# KiCad board [DFR1142]Lite Carrier for LattePanda Mu.kicad_pcb (continued)
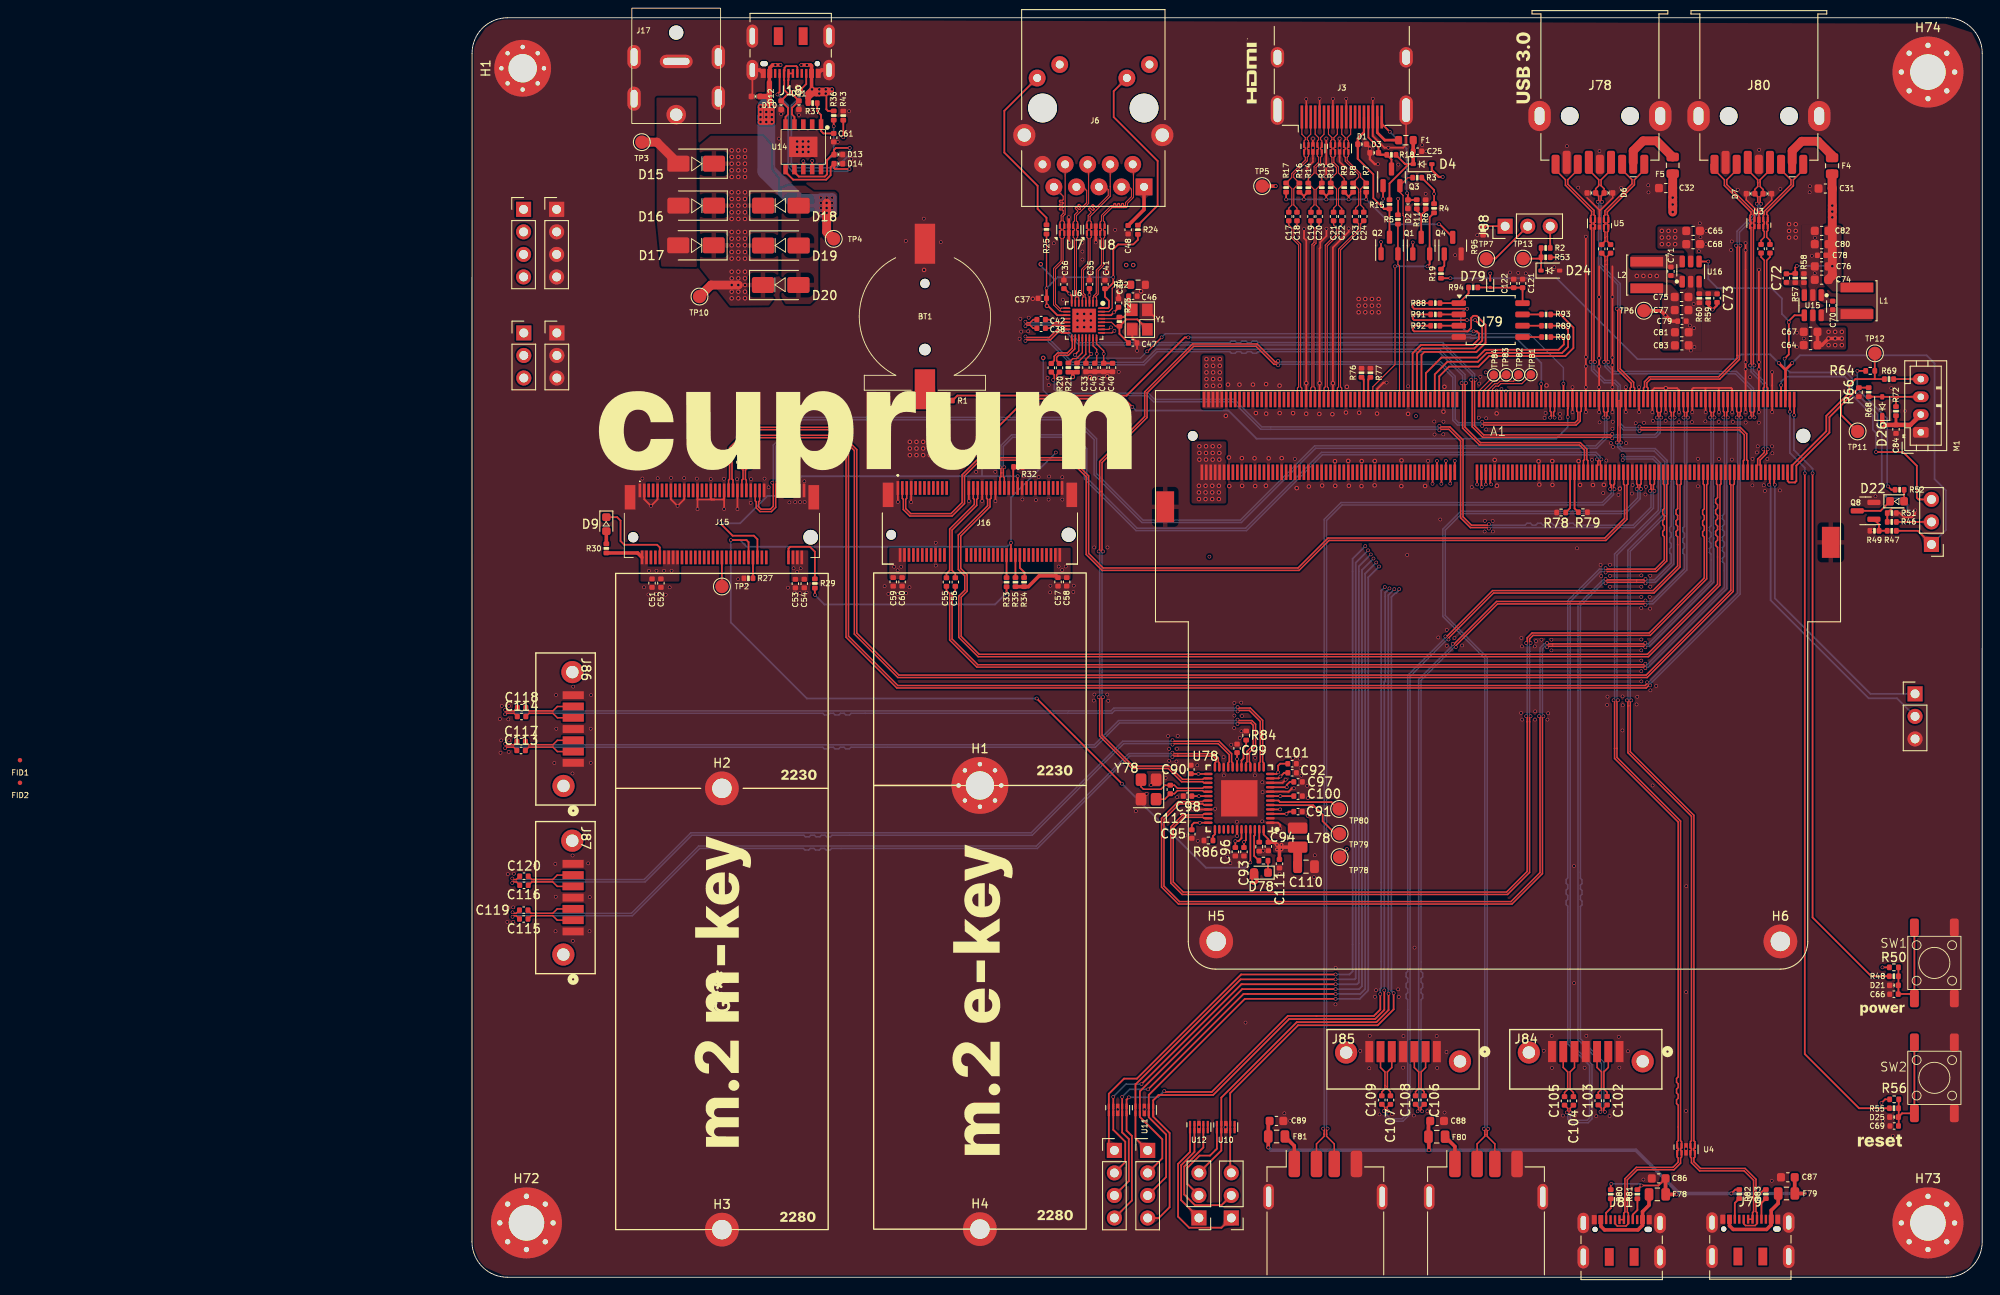
[diagram p0: board, top side]
## Nets (continued)
Net-(J15-SUSCLK): J15.68 R29.1
Net-(J16-SUSCLK): J16.50 R33.1
Net-(J16-~{W_DISABLE1}): J16.56 R34.1
Net-(J16-~{W_DISABLE2}): J16.54 R35.2
Net-(J78-VBUS): F5.2 J78.1
Net-(J79-CC1): J79.A5 R82.2
Net-(J79-CC2): J79.B5 R83.2
Net-(J80-VBUS): F4.2 J80.1
Net-(J81-CC1): J81.A5 R80.2
Net-(J81-CC2): J81.B5 R81.2
Net-(J82-VBUS): F80.2 J82.1
Net-(J83-VBUS): F81.2 J83.1
Net-(J88-Pin_1): J88.1 R95.2
Net-(J88-Pin_3): J88.3 R2.1
Net-(JP1-C): JP1.2 R46.1
Net-(M1-PWM): M1.4 R69.2
Net-(Q1-D): Q1.3 R6.1 R11.1
Net-(Q4-D): Q4.3 R7.2 R8.2 R9.2 R10.2 R13.2 R14.2 R16.2 R17.2
Net-(Q4-G): Q4.1 R19.2
Net-(Q8-G): Q8.1 R47.2 R49.2
Net-(U6-CKXTAL1): C47.2 R23.2 U6.28 Y1.1
Net-(U6-CKXTAL2): C46.2 R23.1 U6.29 Y1.3
Net-(U6-ISOLATEB): R20.2 U6.20
Net-(U6-LANWAKEB): R21.2 U6.21
Net-(U6-RSET): R22.2 U6.31
Net-(U10-NC-Pad6): U10.5 U10.6
Net-(U12-NC-Pad6): U12.5 U12.6
Net-(U14-CFG1): R43.1 U14.9
Net-(U14-VBUS): R36.2 U14.8
Net-(U14-VDD): C61.1 R37.2 U14.1
Net-(U15-BOOST): C70.2 U15.1
Net-(U15-FB): C72.2 R57.1 R58.2 U15.3
Net-(U15-SW): C70.1 L1.1 U15.6
Net-(U16-BOOST): C71.2 U16.1
Net-(U16-FB): C73.2 R59.1 R60.2 U16.3
Net-(U16-SW): C71.1 L2.1 U16.6
Net-(U78-GPIO0): TP78.1 U78.4
Net-(U78-GPIO1): TP79.1 U78.5
Net-(U78-GPIO2): TP80.1 U78.6
Net-(U78-PREXT): R86.2 U78.37
Net-(U78-SREXT): R84.1 U78.18
Net-(U78-TESTMODE): R85.2 U78.47
Net-(U79-CLK): R89.1 U79.6
Net-(U79-DI/IO_{0}): R90.2 U79.5
Net-(U79-DO/IO_{1}): R91.2 U79.2
Net-(U79-~{CS}): R88.2 R94.2 U79.1
Net-(U79-~{HOLD}/~{RESET}/IO_{3}): R93.2 U79.7
Net-(U79-~{WP}/IO_{2}): R92.2 U79.3

Pads without a net: A1 6 8 9 91 93 104 106 108 112 114 117 118 119 120 121 122 123 124 125 126 127 128 129 130 132 134 145 147 149 157 160 162 164 166 168 172 173 174 175 176 177 178 179 180 184 186 190 191 192 193 196 198 202 204 208 210 214 216 220 221 222 223 226 227 228 229 232 233 234 235 238 239 240 241 244 245 246 247; J3 13 14; J15 5 6 7 8 11 13 17 19 20 22 23 24 25 26 28 29 30 31 32 34 35 36 37 40 42 44 46 48 56 58 67; J16 6 8 9 10 11 12 13 14 15 16 17 19 20 21 22 23 32 34 36 38 40 42 44 46 48 58 59 60 61 62 64 65 66 67 68 70 71 73; J18 A8 B8; J79 A8 B8; J81 A8 B8; U6 12; U14 2 3 10; U78 38 39 40 41

## Via types
v1: diameter 0.4, hole 0.3, Top to Bottom, 798 vias
v2: diameter 0.5, hole 0.3, Top to Bottom, 233 vias
v3: diameter 0.46, hole 0.2, Top to Bottom, 4 vias

## Routing (per net, layer and track width the routed paths; a pad name or vN(x,y) marks a point on that pad's centre or on a via; arc(x,y) is an arc through that point)
5V_HDMI_VCC: length 10.6
  Top w0.2: 105.04,125.58 105.14,125.48 ; 105.04,125.58 R18.1 ; 105.04,125.58 105.16,125.45 D4.1 105.57,125.45 103.39,123.27 R15.1
  Top w0.4: D4.1 C25.1 F1.1
+1V0: length 26.3
  Top w0.15: 69.57,105.89 69.57,104.28 v1(69.79,104.06) 69.43,103.7 ; 69.43,103.7 69.18,103.45 C33.2 ; 71.18,103.03 v1(71.18,104.08) 71.18,104.4 70.38,105.2 70.38,105.88 70.37,105.89
  Top w0.2: C44.2 C40.2 ; U6.30 72.02,108.43 v1(72.34,108.75) 72.86,109.26 C34.2 ; C35.2 v1(69.58,110.7) U6.3 ; U6.8 67.58,110.6 v1(67.32,110.86) 66.76,111.43
  In1.GND w0.3: v1(71.18,104.08) 70.61,104.64 70.61,105.22 ; 70.61,105.22 69.79,104.39 v1(69.79,104.06) ; 70.61,105.22 70.61,109.67 v1(69.58,110.7) 69.42,110.86 v1(67.32,110.86)
  In1.GND w0.4: 70.61,108.77 70.63,108.75 v1(72.34,108.75)
+1V2: length 35.4
  Top w0.2: C101.1 91.06,57.88 90.84,57.65 v1(90.84,56.9) 90.66,56.72 U78.12 ; U78.48 89.21,49.9 89.74,49.38 C94.1 ; U78.43 86.71,49.48 86.38,49.15 v1(86.02,49.15) C96.1 ; U78.30 v1(81.91,54.22) C98.1 ; C100.1 v1(91.09,54.22) U78.7 ; C92.1 91.51,56.85 v1(91.1,56.44) 90.89,56.22 U78.11 ; U78.25 v1(81.86,56.72) 81.02,56.72 81.01,56.72
  Top w0.4: 90.99,48.47 90.43,49.03 C94.1 ; 90.99,48.47 L78.2 ; 90.99,48.47 C111.1
  Top w1: C110.1 L78.2
  In2.PWR w0.2: v1(86.02,49.15) 86.38,49.15 86.78,49.55 89.89,49.55 v3(90.71,48.72)
  In2.PWR w0.4: v1(86.02,49.15) 85.11,49.15 81.91,52.35 v1(81.91,54.22)
  vias: v3(90.71,48.22) v3(91.21,48.72) v3(91.21,48.22)
+3V3: length 686.7
  Top w0.15: 64.74,117.48 64.64,117.58 ; 70.4,103.2 v1(70.4,104.08) 70.4,104.57 69.98,104.98 69.98,105.88 69.97,105.89 ; 64.83,110.24 C37.2 64.74,117.58 R25.2
  Top w0.2: U6.32 71.66,109.23 71.78,109.35 71.78,110.05 71.33,110.5 C41.2 71.61,111.42 72.26,112.07 v1(72.26,112.7) 72.26,115.85 72.81,116.4 74.46,116.4 ; U78.44 87.21,49.28 v1(86.99,49.05) C93.1 ; R64.1 v1(156.11,102.15) ; C95.1 81.11,50.97 81.36,51.22 v1(82.01,51.22) U78.36 ; 106.01,116.68 v1(106.01,116.62) Q1.1 ; U78.19 v1(86.21,58.4) C99.1 ; R4.1 v1(108.41,122.1) 108.41,122.54 R3.1 ; U6.11 65.96,108.43 64.74,109.65 v1(64.74,111.46) C37.2 ; D79.2 v1(114.74,113.12) ; R56.2 159.24,20.05 v1(158.83,19.64) ; R50.2 v1(158.94,34.93) ; v1(159.56,89.12) 159.94,88.75 R52.2 ; v1(102.66,121.55) Q3.1 ; U78.9 v1(91.81,55.22) 91.81,55.49 92.15,55.83 C97.1 ; C91.1 92.04,52.47 v1(91.79,52.22) U78.3 ; R24.2 75.04,116.93 74.51,116.4 ; R5.1 104.36,119.75 v1(104.36,121.55) ; Q2.1 v1(102.44,116.68)
  Top w0.25: C73.1 140.3,109.55 v1(139.8,109.05) 139.3,109.55 139.3,109.83
  Top w0.4: J15.2 18.66,81.63 15.14,81.63 ; R21.1 67.61,102.02 ; 67.61,102.02 67.7,101.93 v2(67.7,101.47) ; 67.61,102.02 R20.1 ; 61.24,77.83 62.69,77.83 63.91,79.05 65.84,79.05 C57.2 ; L2.2 133.03,111.45 ; C79.1 135.15,107.75 v1(134.49,108.41) 133.98,108.93 TP6.1
  Top w1: v1(88.13,44.74) D78.2
  In1.GND w0.4: v1(70.4,104.08) 70.4,103.81 69.83,103.25 ; 69.83,103.25 69.75,103.25 69.11,103.88 69.11,105.61 68.31,106.41 67.98,106.41 67.58,106.81 67.58,107.86 65.96,109.48 v2(64.79,109.48) ; 69.83,103.25 69.23,102.65 68.12,102.65 67.7,102.23 v2(67.7,101.47)
  In2.PWR w0.2: v1(102.44,116.68) 101.74,117.38 101.74,120.62 v1(102.66,121.55) v1(104.36,121.55) 107.86,121.55 v1(108.41,122.1) ; v1(64.74,111.46) 64.79,111.41 v2(64.79,109.48) ; v1(106.01,116.62) 105.96,116.68
  In2.PWR w0.4: 139.79,109.04 v1(139.8,109.05) ; 89.89,47.95 88.11,46.18 88.11,44.75 v1(88.13,44.74) ; 89.89,47.95 89.89,48.35 89.19,49.05 v1(86.99,49.05) 86.99,48.88 86.64,48.53 83.94,48.53 82.01,50.45 v1(82.01,51.22) ; 89.89,47.95 90.25,47.59 91.56,47.59 91.84,47.88 91.84,52.17 v1(91.79,52.22) ; v1(158.94,34.93) 158.91,34.9 158.91,34.65 ; v1(106.01,116.62) 109.39,116.62 109.74,116.28 112.41,116.28 114.74,113.95 v1(114.74,113.12) ; 156.13,83.41 156.11,83.4 ; v1(158.83,19.64) 158.91,19.72 ; 5.81,101.37 J14.3 ; 61.35,116.91 v2(64.09,114.17)
  In2.PWR w0.75: 30.99,137.9 54.96,137.9
  In2.PWR w1: 30.99,137.9 28.41,135.32 10.79,135.32 ; 54.96,137.9 58.54,134.32 ; 58.54,134.32 58.54,119.73 61.35,116.91 ; 58.54,134.32 64.26,140.05 76.89,140.05 83.14,133.8 83.14,125.05 91.51,116.68 v1(102.44,116.68) 105.96,116.68
  In2.PWR w1.5: v1(139.8,109.05) 153.64,109.05 156.11,106.58 v1(156.11,102.15) 156.11,83.4 ; 156.13,83.41 158.91,80.62 158.91,19.72 ; J14.3 5.84,85.93 12.14,79.62 v1(19.94,79.62) v1(22.49,79.62) ; v1(66.51,79.7) 66.51,50.38 72.16,44.72 ; 139.79,109.04 139.79,108.41 v1(134.49,108.41) ; 36.76,79.83 36.96,79.83 38.04,80.9 46.74,80.9 47.69,79.95 47.96,79.95 ; 72.16,44.72 62.86,35.43 62.86,10.45 70.99,2.33 90.54,2.33 100.41,12.2 151.39,12.2 v1(158.83,19.64) ; 72.16,44.72 v1(87.69,44.72) 88.11,44.72 v1(88.13,44.74) ; 5.81,101.37 J13.1 5.81,130.35 10.79,135.32
  Bottom w0.2: v2(64.09,114.17) 64.09,114.02 65.7,112.41 ; 65.7,112.41 65.99,112.7 v1(72.26,112.7) ; 65.7,112.41 v1(64.74,111.46) ; v1(156.11,102.15) 156.11,100.12 159.46,96.78 159.46,89.23 v1(159.56,89.12)
  vias: v1(20.79,79.62) v1(21.64,79.62) v1(36.24,79.9) v1(36.64,79.5) v1(37.04,79.9) v1(47.56,80.08) v1(47.96,79.68) v1(48.36,80.08) v1(66.11,80.1) v1(66.91,80.1)
+5V: length 317.2
  Top w0.2: v1(141.91,9.44) 142.36,9.89 R82.1 ; v1(145.18,9.44) 145.62,9.89 R83.1 ; v1(149.29,113.98) 149.11,113.8 R57.2 149.08,113.09 C72.1 ; R81.1 v1(131.79,10.34) 133.7,10.34 C86.2 ; R80.1 128.32,10.46 v1(128.39,10.53)
  Top w0.25: v1(109.39,124) 108.94,124 108.16,124.78 D4.2
  Top w0.3: R72.1 C84.1
  Top w0.4: 89.73,17.47 F81.1 89.73,14.64 v1(89.74,14.62) ; C86.2 134.5,9.35 F78.1 v1(135.73,9.34) ; v1(150.18,9.44) F79.1 149.05,9.45 C87.2 ; v1(107.83,14.31) 107.83,15.79 F80.1 107.78,17.41 ; v1(90.56,122.98) TP5.1
  Top w0.5: D26.1 v1(158.91,96.12) 158.91,96.05 158.92,96.06 162.1,96.06 M1.2
  Top w1: F5.1 C32.2 135.3,120.68 ; F4.1 153.26,122.73 C31.2 v1(153.29,120.78) v1(153.29,120.1) v1(153.29,119.45) v1(153.29,113.95) 153.29,112.9 152.86,112.48 C74.2 ; v1(135.3,120.9) v1(135.3,120.05)
  In2.PWR w1: v1(135.3,121.68) 135.28,121.68 ; v1(135.3,121.68) 135.3,121.7 v1(135.3,120.9) ; v1(135.3,121.68) v1(135.3,120.05) 136.08,120.83 136.08,120.9 ; v1(135.3,121.68) 136.08,120.9 ; 153.29,119.38 153.31,119.4 153.31,120.85 152.55,120.08 153.16,120.08 153.26,119.98 ; 153.29,119.38 152.58,120.08 ; 153.29,119.38 153.29,112.23 158.91,106.6 v1(158.91,96.12) 158.91,93.65 158.88,93.61 160.86,91.63 160.86,82.58 164.59,78.85 164.59,21.8 152.23,9.44 v1(150.18,9.44) ; 136.8,120.9 136.08,120.9 ; 136.8,120.9 138.08,120.9 140.18,118.8 146.76,118.8 148.06,120.1 v1(153.29,120.1) 153.27,120.08 ; 136.8,120.9 v1(135.3,120.9) ; v1(135.3,120.9) 135.3,120.68 ; 135.18,120.8 135.1,120.88 132.98,120.88 131.43,119.33 124.99,119.33 123.59,120.73 112.66,120.73 v1(109.39,124) 108.89,124.5 101.04,124.5 99.51,122.98 v1(90.56,122.98)
  Bottom w0.2: v1(153.29,113.95) 153.26,113.98 v1(149.29,113.98) ; v1(128.39,10.53) 131.61,10.53 v1(131.79,10.34)
  Bottom w0.4: 136.03,9.44 v1(141.91,9.44) v1(150.18,9.44) ; 136.03,9.44 135.83,9.44 v1(135.73,9.34) ; 136.03,9.44 131.15,14.31 v1(107.83,14.31) 90.05,14.31 v1(89.74,14.62)
+12V: length 5.1
  Top w1: TP3.1 20.84,127.93 D15.2
+15V: length 55.9
  Top w0.2: 33.51,135 33.51,135.68 ; R36.1 40.13,131.43 39.94,131.62 39.94,133.32 v1(39.86,133.4)
  Top w0.4: v1(34.76,136.62) v1(34.19,136.62) 33.88,136.62 33.56,136.31 J18.A9 ; 38.31,135.65 38.22,135.75 ; v1(39.86,133.4) v1(40.56,133.4) ; v1(40.56,133.4) 40.09,133.88 v1(39.86,133.88) ; v1(40.56,133.4) v1(40.56,133.88) v1(39.14,133.88) v1(38.31,133.88) 38.26,133.93 J18.A4 38.26,136.51 38.15,136.62 v1(37.74,136.62) v1(37.11,136.62) ; 33.61,135.75 33.51,135.65 33.51,135
  Top w0.6: 37.88,132.91 R37.1 ; 37.88,132.91 37.88,133.44 v1(38.31,133.88) 38.79,133.4 v1(39.14,133.4) ; 37.88,132.91 38.37,133.4 v1(39.14,133.4) ; v1(32.51,130.2) v1(33.79,130.2) v1(33.79,131.93) ; v1(32.51,130.2) v1(32.51,131.93) v1(33.79,131.93) ; v1(32.51,130.2) v1(33.16,130.2) v1(33.16,131.93) ; v1(33.79,131.93) 33.51,132.2 33.51,133.07 ; v1(39.14,133.4) v1(39.86,133.4) ; 33.51,133.07 33.51,134.67 ; 33.51,133.07 D12.1
  Top w1: TP4.1 39.96,117.83 v1(39.96,121.08)
  Bottom w1: v1(39.31,119.95) v1(40.59,119.95) v1(40.59,121.68) v1(39.31,121.68)
  Bottom w2: v1(33.16,131.93) v1(33.16,130.75) 33.16,124.7 36.79,121.08 v1(39.96,121.08)
  vias: v1(32.51,131.32) v1(32.51,130.75) v1(33.16,131.32) v1(33.79,131.32) v1(33.79,130.75) v1(39.31,121.08) v1(39.31,120.5) v1(39.96,121.68) v1(39.96,120.5) v1(39.96,119.95) v1(40.59,121.08) v1(40.59,120.5)
GND: length 303.1
  Top w0.15: C36.1 v1(66.71,113.23)
  Top w0.171: J3.8 v1(97.01,132.82) ; U1.8 v1(94.76,127.29) U1.3 94.76,125.7 94.11,125.05 v1(94.11,124.7) ; v1(95.51,132.82) J3.5 ; 127.05,119.7 127.05,120.26 125.65,121.66 ; 127.05,119.7 127.05,120.16 128.55,121.65 D6.1 ; 127.05,119.7 U5.3 ; v1(101.51,132.82) J3.17 ; 104.94,127.3 105.26,127.62 J3.SH ; 94.01,132.82 v1(94.01,132.78) J3.2 ; 97.76,126.35 97.76,125.73 98.41,125.08 v1(98.41,124.78) ; 97.76,126.35 U2.3 v1(97.76,127.27) U2.8 ; 97.76,126.35 97.76,126.1 ; D8.1 146.46,121.42 145.01,119.98 U3.3 ; U3.3 U3.8 ; U3.3 145.01,120 143.59,121.43 D7.1 ; J3.11 98.51,132.8 98.54,132.82 v1(98.51,132.82)
  Top w0.2: J3.17 101.51,128.61 102.82,127.3 v1(103.26,127.3) 104.94,127.3 ; v1(130.01,97.5) v1(130.01,100.3) ; 138.99,100.23 139,100.22 A1.41 ; 138.99,100.23 137.64,100.23 137.5,100.08 A1.47 ; 138.99,100.23 140.49,100.23 ; v1(28.41,86.58) J15.39 28.41,87.75 28.32,87.65 27.29,87.65 ; v1(124.01,97.5) v1(124.01,100.3) ; Y1.4 74.41,105.9 74.94,105.36 C47.1 v1(74.94,104.41) ; 25.41,87.65 25.42,87.65 27.29,87.65 ; 25.41,87.65 v1(25.41,86.58) ; 25.41,87.65 J15.27 ; 127.01,102.45 127.01,102.58 ; 127.01,102.45 v1(127.01,100.3) v1(127.01,97.5) ; 127.01,102.45 v1(127.01,102.65) v1(127.01,103.59) v1(127.01,110.48) 127.01,113.93 ; v1(91.69,56.08) 91.34,55.72 U78.10 ; J15.33 26.91,87.75 27.01,87.65 27.29,87.65 ; U12.8 81.91,16.96 v1(81.93,16.94) ; v1(143.51,97.5) v1(143.51,102.34) v1(143.51,103.12) v1(143.51,115.75) v1(143.51,116.55) ; v1(145.01,113.55) v1(145.01,103.12) v1(145.01,102.32) v1(145.01,97.5) ; v1(125.51,97.5) v1(125.51,100.3) v1(125.51,102.66) v1(125.51,103.72) v1(125.51,117.28) ; v1(58.99,87.48) J16.45 ; J16.1 v1(47.99,87.38) ; A1.59 134.5,100.19 134.49,100.2 ; v1(146.51,102) v1(146.51,97.5) ; v1(94.76,128.32) U1.8 ; R51.1 160.86,86.12 161.34,85.65 162.24,85.65 162.64,86.05 v1(162.64,86.43) ; v1(57.49,87.48) J16.39 ; U78.8 92.02,54.72 92.4,55.1 v1(92.61,55.1) ; A1.53 136,100 135.79,100.2 v2(134.52,100.2) 134.49,100.2 ; 31.49,133.06 31.47,133.07 31.47,133.09 31.59,133.22 31.59,135.6 ; J15.15 22.41,87.68 v1(23.16,86.93) 23.91,87.68 J15.21 ; v1(137.51,97.5) 137.51,98.9 ; v1(134.51,97.5) 134.51,98.9 ; 134.49,100.2 133.24,100.2 133.01,99.98 v1(133.01,97.5) ; v1(86.21,49.73) U78.42 ; v1(139.01,97.5) 139.01,98.9 ; v1(103.06,100.83) 102.71,100.83 102.01,100.12 102.01,98.9 ; v1(97.76,128.32) U2.8 ; 142.01,98.9 142.01,99.93 ; 142.01,98.9 v1(142.01,97.5) ; 142.01,98.9 142.01,99.98 ; v1(131.51,97.5) v1(131.51,100.3) ; A1.29 142,100.12 141.89,100.23 140.49,100.23 ; U10.8 84.94,16.94 v1(84.91,16.91) ; 140.49,100.23 140.5,100.22 A1.35 ; U78.33 v1(81.26,52.72) ; C35.1 v1(69.58,113.23) ; J16.33 v1(55.99,87.48) ; J15.45 v1(29.91,86.58) ; U78.1 90.84,51.22 91.09,50.97 v1(91.09,50.58) ; 128.51,113.93 v1(128.51,110.48) v1(128.51,103.66) v1(128.51,102.81) v1(128.51,100.3) v1(128.51,97.5) ; J16.7 v1(49.49,87.35) ; 136.01,99.98 v1(136.01,97.5) ; v1(96.29,118.18) 96.29,117.35 95.59,116.65 95.59,116.03 95.51,115.95 v2(95.51,100.77) 95.51,98.9 ; v1(140.51,97.5) 140.51,98.9 ; 94.01,98.9 v2(94.01,100.77) 94.01,116.85 93.76,117.1 v1(93.76,118.15) ; v1(98.79,118.2) 98.79,117.83 97.01,116.05 v2(97.01,100.76) 97.01,98.9 ; v1(96.26,128.32) v1(96.26,124.06) ; J15.9 20.91,87.68 v1(20.16,86.93) 19.41,87.68 J15.3 ; Y1.2 v1(76.96,108.17) ; 39.01,135.3 J18.A1
  Top w0.25: v1(102.09,125.45) 101.74,125.45 101.18,126.01 v1(101.18,127.2) 101.18,127.31 D1.1
  Top w0.3: v1(67.25,116.61) U7.8 v1(67.25,119.46) ; U8.8 U8.3 v1(70.29,116.62)
  Top w0.4: C34.1 72.86,111.05 v1(73.03,111.23) ; J18.S1 39.39,136.05 J18.A1 ; C40.1 C33.1 ; U12.3 U12.8 ; U10.3 U10.8 ; J18.A12 32.44,136.05 J18.S1
  Bottom w0.2: v1(131.76,67.15) 131.76,67.06 ; 132.68,66.15 v1(132.79,66.15)
  vias: v1(3.14,62.91) v1(3.21,59.11) v1(3.35,64.39) v1(3.29,60.5) v1(4.03,45.44) v1(4.04,41.65) v1(3.98,40.05) v1(4.15,64.41) v1(4.09,62.88) v1(4.13,59.21) v1(4.18,60.5) v1(4.64,41.69) v1(4.65,40.06) v1(4.71,45.47) v1(9.28,57.96) v1(9.39,46.59) v1(9.43,42.89) v1(9.41,39) v1(9.47,65.62) v1(9.5,61.81) v1(11.32,56.78) v1(11.33,47.53) v1(11.36,37.91) v1(11.4,66.56) v1(13.09,46.65) v1(13.26,42.84) v1(13.24,39) v1(13.42,65.62) v1(13.37,61.83) v1(13.38,57.97) v1(19.2,90.02) v1(19.38,77.76) v1(19.88,76.95) v1(20.77,77) v1(20.92,90.05) v1(21.82,76.93) v1(22.27,77.76) v1(22.43,90.09) v1(23.91,90.07) v1(25.34,90.01) v1(26.9,89.96) v1(28.39,90) v1(29.87,89.94) v1(29.99,78.67) v1(30.65,78.02) v1(31.44,89.95) v1(31.4,87.28) v1(32.96,90.01) v1(33.42,89.03) v1(34.59,128.32) v1(34.71,89.09) v1(34.83,131.09) v1(34.81,90.07) v1(35.6,77.72) v1(35.76,87.33) v1(36.35,77.15) v1(36.42,87.34) v1(36.64,134.25) v1(36.64,128) v1(36.64,127.4) v1(36.64,126.83) v1(36.83,131) v1(36.94,77.09) v1(36.97,87.37) v1(37.29,128) v1(37.29,127.4) v1(37.29,126.83) v1(37.45,89.71) v1(37.48,87.37) v1(37.7,77.16) v1(37.91,128) v1(37.91,127.4) v1(37.91,126.83) v1(38.06,131.25) v1(41.21,127.94) v1(42.49,131.41) v1(42.75,126.05) v1(46.49,77.89) v1(46.92,77.02) v1(47.96,76.98) v1(48.88,116.8) v1(48.91,77.11) v1(49.3,77.77) v1(50.91,119.31) v1(52.25,82.79) v1(52.26,80.21) v1(52.82,116.66) v1(56.81,90.77) v1(58.9,91.45) v1(58.97,90.78) v1(61.7,105.77) v1(61.79,108.02) v1(61.88,106.58) v1(62.02,87.66) v1(62.11,90.29) v1(62.73,108.15) v1(62.67,106.61) v1(62.84,91.32) v1(63.54,87.59) v1(63.85,90.2) v1(64.85,101.37) v1(64.98,100.55) v1(65.02,90.25) v1(64.97,87.65) v1(65.15,77.19) v1(65.18,77.94) v1(65.56,116.53) v1(66.49,101.37) v1(66.52,100.65) v1(66.52,90.17) v1(66.52,87.65) v1(66.59,110.18) v1(67.81,77.95) v1(67.76,77.23) v1(68.79,116.6) v1(68.79,115.6) v1(68.79,114.7) v1(70.11,82.25) v1(70.14,65.68) v1(70.07,65) v1(70.68,101.38) v1(71.61,82.25) v1(71.59,65.68) v1(71.7,64.97) v1(72.46,118.05) v1(72.76,18.91) v1(72.87,102.04) v1(74.8,52.53) v1(75.78,18.91) v1(76.02,54.49) v1(76.51,55.47) v1(78.16,56.28) v1(78.43,60.99) v1(78.56,58.21) v1(78.56,59.55) v1(79.43,59.56) v1(79.38,58.12) v1(79.46,54.11) v1(79.52,61) v1(80.38,49.8) v1(81.73,57.71) v1(81.78,49.19) v1(83.74,52.81) v1(84.69,58.62) v1(84.72,56.56) v1(85.12,47.41) v1(85.46,46.68) v1(85.55,60.02) v1(85.91,64.72) v1(85.91,63.3) v1(85.89,61.9) v1(86.19,51.34) v1(86.46,46.75) v1(86.51,60.78) v1(86.68,64.77) v1(86.7,61.53) v1(86.77,63.25) v1(87.16,28.7) v1(88.25,58.55) v1(88.21,56.56) v1(89.05,55.78) v1(89.04,51.38) v1(89.08,54.68) v1(89.16,48.07) v1(91,45.47) v1(91.54,18.47) v1(92.19,17.64) v1(92.5,58.52) v1(92.72,92.23) v1(93.28,58.46) v1(93.37,57.41) v1(93.46,56.53) v1(94.11,55.39) v1(94.19,54) v1(94.17,52) v1(94.87,45.09) v1(94.97,47.56) v1(96.24,125.2) v1(97.31,34.87) v1(97.3,30.75) v1(100.09,25.5) v1(101.11,23.55) v1(101.16,27.22) v1(101.75,31.62) v1(101.87,32.34) v1(102.26,18.35) v1(103.69,18.38) v1(104.36,32.44) v1(104.39,125.4) v1(104.43,31.59) v1(104.96,27.19) v1(104.92,23.62) v1(105.44,119.28) v1(105.39,81.4) v1(105.48,100.41) v1(106.14,18.22) v1(106.21,37.15) v1(106.44,122.83) v1(107.08,127.59) v1(107.46,122.1) v1(107.52,126.89) v1(107.73,92.02) v1(107.66,18.7) v1(108.43,96.45) v1(108.46,94.98) v1(108.7,27.19) v1(108.76,23.59) v1(108.88,72.11) v1(109.11,85.4) v1(109.45,95) v1(109.47,96.43) v1(109.59,18.56) v1(109.84,72.95) v1(109.83,71.17) v1(109.81,25.39) v1(110.71,72.05) v1(110.78,115.19) v1(111.56,71.2) v1(112.65,89.06) v1(113.28,117.45) v1(113.45,96.88) v1(113.49,100.72) v1(113.63,101.48) v1(114.14,85.25) v1(114.11,84.05) v1(114.29,96.8) v1(114.29,95.55) v1(115.01,85.23) v1(115.04,84.05) v1(115.47,99.93) v1(116.96,113.23) v1(117.9,113.2) v1(118.25,72.05) v1(118.21,63.61) v1(118.31,71.1) v1(118.34,62.85) v1(118.74,113.14) v1(119.76,71.1) v1(119.8,63.78) v1(119.79,62.85) v1(119.9,71.69) v1(120.51,71.86) v1(120.86,96.85) v1(120.77,25.53) v1(120.97,97.41) v1(121.19,62.85) v1(121.27,63.56) v1(121.64,71.85) v1(121.64,70.65) v1(121.66,27.21) v1(121.69,23.59) v1(121.96,113.83) v1(122.59,97.3) v1(122.6,96.8) v1(122.94,18.22) v1(123.38,127.48) v1(124.19,46.35) v1(124.19,33.15) v1(124.29,18.22) v1(124.51,82.15) v1(124.65,122.8) v1(125.37,23.61) v1(125.57,27.21) v1(126.2,92.14) v1(126.69,18.15) v1(127.05,126.93) v1(127.06,96.34) v1(127.17,80.28) v1(127.25,79.02) v1(127.47,88.38) v1(127.82,92.05) v1(127.95,65.44) v1(127.91,64.5) v1(128.24,80.3) v1(128.24,79.05) v1(128.24,77.83) v1(128.19,18.18) v1(128.33,94.02) v1(128.54,96.42) v1(128.51,95.62) v1(128.57,93.58) v1(129.19,88.18) v1(129.22,27.09) v1(129.29,23.62) v1(129.5,122.78) v1(129.65,65.47) v1(129.64,61.62) v1(129.67,64.47) v1(130.05,94.02) v1(130.26,25.47) v1(130.71,88.33) v1(130.78,89.29) v1(131.13,96.26) v1(131.23,64.56) v1(131.31,65.41) v1(131.76,79.1) v1(131.76,77.83) v1(131.76,76.68) v1(131.76,75.43) v1(131.76,71.88) v1(131.76,70.65) v1(131.76,69.5) v1(131.76,68.3) v1(132,11.02) v1(132.06,96.31) v1(132.23,88.22) v1(132.27,89.09) v1(132.54,123.07) v1(132.57,122.27) v1(132.71,76.68) v1(132.75,75.36) v1(132.77,79.07) v1(132.77,77.83) v1(133.04,55.43) v1(133.08,96.52) v1(133.45,66.65) v1(134.5,96.52) v1(136.02,96.36) v1(136.84,44.08) v1(136.81,32.12) v1(136.8,18.74) v1(136.8,14.49) v1(137.23,107.26) v1(137.35,104.45) v1(137.47,96.37) v1(137.66,109.69) v1(137.7,106.97) v1(137.75,104.84) v1(138.15,92.25) v1(138.14,89.14) v1(138.25,115.62) v1(138.35,118.78) v1(138.43,117.22) v1(139.04,116.42) v1(138.98,96.46) v1(139.08,117.92) v1(140.49,96.41) v1(140.51,92.22) v1(141.96,116.73) v1(141.87,115.77) v1(141.97,92.16) v1(142.08,96.41) v1(142.64,122.57) v1(143.52,96.33) v1(144.01,101.44) v1(144.29,92.23) v1(144.28,89.25) v1(144.79,92.96) v1(144.88,93.65) v1(145.04,127.06) v1(145.01,96.32) v1(145.56,89.26) v1(145.68,88.62) v1(145.97,92.22) v1(146.46,10.87) v1(146.49,93.65) v1(146.53,92.87) v1(147.44,122.65) v1(147.38,88.68) v1(149.3,106.46) v1(149.29,104.82) v1(150.07,105.8) v1(150.73,122.28) v1(150.76,122.96) v1(150.98,115.12) v1(151.32,117.16) v1(151.3,113.16) v1(157.89,84.16) v1(158.15,88.02) v1(158.97,17.61) v1(159.94,100.2) v1(160.11,15.96) v1(160.23,30.55) v1(160.42,94.38) v1(161.49,97.62) v2(49.34,94.15) v2(49.34,93.4) v2(49.34,92.65) v2(50.09,94.15) v2(50.09,93.4) v2(50.09,92.65) v2(50.84,94.15) v2(50.84,93.4) v2(50.84,92.65) v2(50.94,113.53) v2(51.59,94.15) v2(51.59,93.4) v2(51.59,92.65) v2(63.19,110.28) v2(68.23,108.58) v2(68.23,107.83) v2(68.23,107.08) v2(68.98,108.58) v2(68.98,107.83) v2(68.98,107.08) v2(69.63,101.45) v2(69.73,108.58) v2(69.73,107.83) v2(69.73,107.08) v2(71.57,113.32) v2(71.59,101.54) v2(75.39,111.12) v2(84.94,97.09) v2(85.19,100.61) v2(85.29,92.39) v2(85.33,89.17) v2(86.48,100.59) v2(86.75,92.32) v2(86.78,89.2) v2(88,100.61) v2(88.18,92.3) v2(88.25,89.17) v2(88.33,97.4) v2(89.46,89.21) v2(89.48,100.66) v2(89.49,97.33) v2(89.77,92.3) v2(91,100.48) v2(91.01,97.4) v2(91.24,92.32) v2(92.52,97.39) v2(92.93,88.94) v2(94,97.32) v2(94.3,89.12) v2(95.48,97.3) v2(95.8,89.23) v2(96.95,97.27) v2(97.24,91.97) v2(97.27,89.2) v2(98.48,97.46) v2(98.58,100.36) v2(98.74,92.01) v2(98.81,89.21) v2(99.91,110.25) v2(99.91,109.5) v2(99.91,108.75) v2(99.97,97.44) v2(100.25,91.98) v2(100.23,89.17) v2(100.66,110.25) v2(100.66,109.5) v2(100.66,108.75) v2(101.41,110.25) v2(101.41,109.5) v2(101.41,108.75) v2(101.72,92) v2(101.71,89.25) v2(101.98,97.34) v2(102.16,110.25) v2(102.16,109.5) v2(102.16,108.75) v2(104.74,92.06) v2(104.72,89.17) v2(105.48,97.31) v2(107.4,89.18) v2(109.47,97.56) v2(109.58,100.36) v2(115.24,92.12) v2(115.46,97.36) v2(115.49,89.21) v2(120.18,91.97) v2(120.27,89.34) v2(121.08,100.51) v2(121.73,91.98) v2(121.75,89.3) v2(124.69,91.98) v2(124.86,89.3) v2(126.31,89.29) v2(127.54,89.31) v2(129.34,88.88) v2(131.25,112.85) v2(132,112.85) v2(132.75,112.85) v2(133.5,112.85) v2(148.41,118.68) v2(148.41,117.93) v2(148.41,117.18) v2(149.16,118.68) v2(149.16,117.93) v2(149.16,117.18)
+BATT: length 74.7
  Top w0.2: R1.1 54.7,99.37 73.76,99.37 80.32,105.92 v1(80.71,105.92) ; v1(120.5,100.68) A1.115
  Bottom w0.2: v1(120.5,100.68) 120.5,103.02 117.6,105.92 113.25,105.92 113.18,105.85 112.55,105.85 112.48,105.92 v1(80.71,105.92)
/BIOS/SPI_CLK: length 23.2
  Top w0.2: A1.155 108.5,101.76 109.91,103.18 113.35,103.18 114.34,104.17 122.83,104.17 123.51,104.85 123.51,106.78 123.05,107.23 R89.2
/BIOS/SPI_CS: length 27.3
  Top w0.2: A1.165 106,104.13 106.94,105.08 112.79,105.08 113.46,105.75 113.46,106.38 113.24,106.6 v1(112.86,106.6) ; R88.1 106.15,109.79 105.99,109.62 105.99,109.33 106.16,109.15 v1(112.14,109.15)
  Bottom w0.2: v1(112.86,106.6) 112.01,106.6 111.44,107.18 111.44,108.62 111.96,109.15 v1(112.14,109.15)
/BIOS/SPI_IO0: length 22
  Top w0.2: R90.1 122.75,105.96 123.04,105.68 123.04,105.12 122.44,104.53 114.16,104.53 113.28,103.65 109.24,103.65 107.5,101.91 A1.159 107.49,98.93
/BIOS/SPI_IO1: length 25.3
  Top w0.2: R91.1 106.2,108.51 106.01,108.33 106.01,108.03 106.16,107.88 v1(112.11,107.88) ; A1.163 106.5,104.11 107.06,104.68 112.95,104.68 113.84,105.56 113.84,107.08 v1(113.04,107.88)
  Bottom w0.2: v1(112.11,107.88) v1(113.04,107.88)
/BIOS/SPI_IO2: length 27.9
  Top w0.2: 107.52,107.23 R92.1 106.17,107.23 106.01,107.08 106.01,106.75 106.16,106.6 112.21,106.6 112.59,106.98 112.59,108.1 112.84,108.35 113.21,108.35 114.21,107.35 114.21,105.31 113.18,104.28 107.31,104.28 107,103.96 A1.161
/BIOS/SPI_IO3: length 24.5
  Top w0.2: A1.153 109,101.53 110.09,102.62 113.42,102.62 114.61,103.81 123.2,103.81 124.11,104.73 124.11,107.03 122.63,108.51 R93.1
/Fan_Temp/FAN_1_PWM: length 19.7
  Top w0.2: 158.09,101.23 155.89,101.23 155.21,100.55 155.21,99.68 152.61,97.08 152.61,95.35 148.76,91.5 148.76,90.7 ; 158.09,101.23 158.07,101.24 R64.2 158.07,104.11 TP12.1 ; 158.09,101.23 R69.1
/Fan_Temp/FAN_1_TAC: length 20.3
  Top w0.2: 154.28,98.26 R66.1 R68.2 ; 154.28,98.26 152.96,96.94 152.96,95.2 149.24,91.48 149.24,89.73 149.09,89.58 148.42,89.57 148.26,89.73 148.26,90.7 ; 154.28,98.26 154.28,97.18 TP11.1 ; 156.09,100.26 156.09,100.25
/Gigabit Ethernet/GbE_PCIe_CLK+: length 81.1
  Top w0.17: v1(112.02,100.78) 111.9,100.66 111.9,95.81 113.65,94.06 124.9,94.06 125.63,93.33 125.63,92.15 125.75,92.04 A1.94 ; U6.15 66.43,106.83 66.37,106.76 65.91,106.76 65.06,105.91 62.48,105.91 v1(62.36,106.03)
  Bottom w0.17: v1(112.02,100.78) 111.9,100.89 111.9,101.73 109.05,104.59 77.11,104.59 75.63,103.11 67.67,103.11 64.87,105.91 62.48,105.91 v1(62.36,106.03)
/Gigabit Ethernet/GbE_PCIe_CLK-: length 81.1
  Top w0.17: v1(111.51,100.78) 111.63,100.66 111.63,95.69 113.53,93.79 124.78,93.79 125.36,93.21 125.36,92.15 125.25,92.04 A1.96 ; U6.16 66.43,106.43 66.37,106.49 66.02,106.49 65.17,105.64 62.48,105.64 v1(62.36,105.52)